# Altium PCB HallFM2_0.PcbDoc (part 2 of 2) (continued)
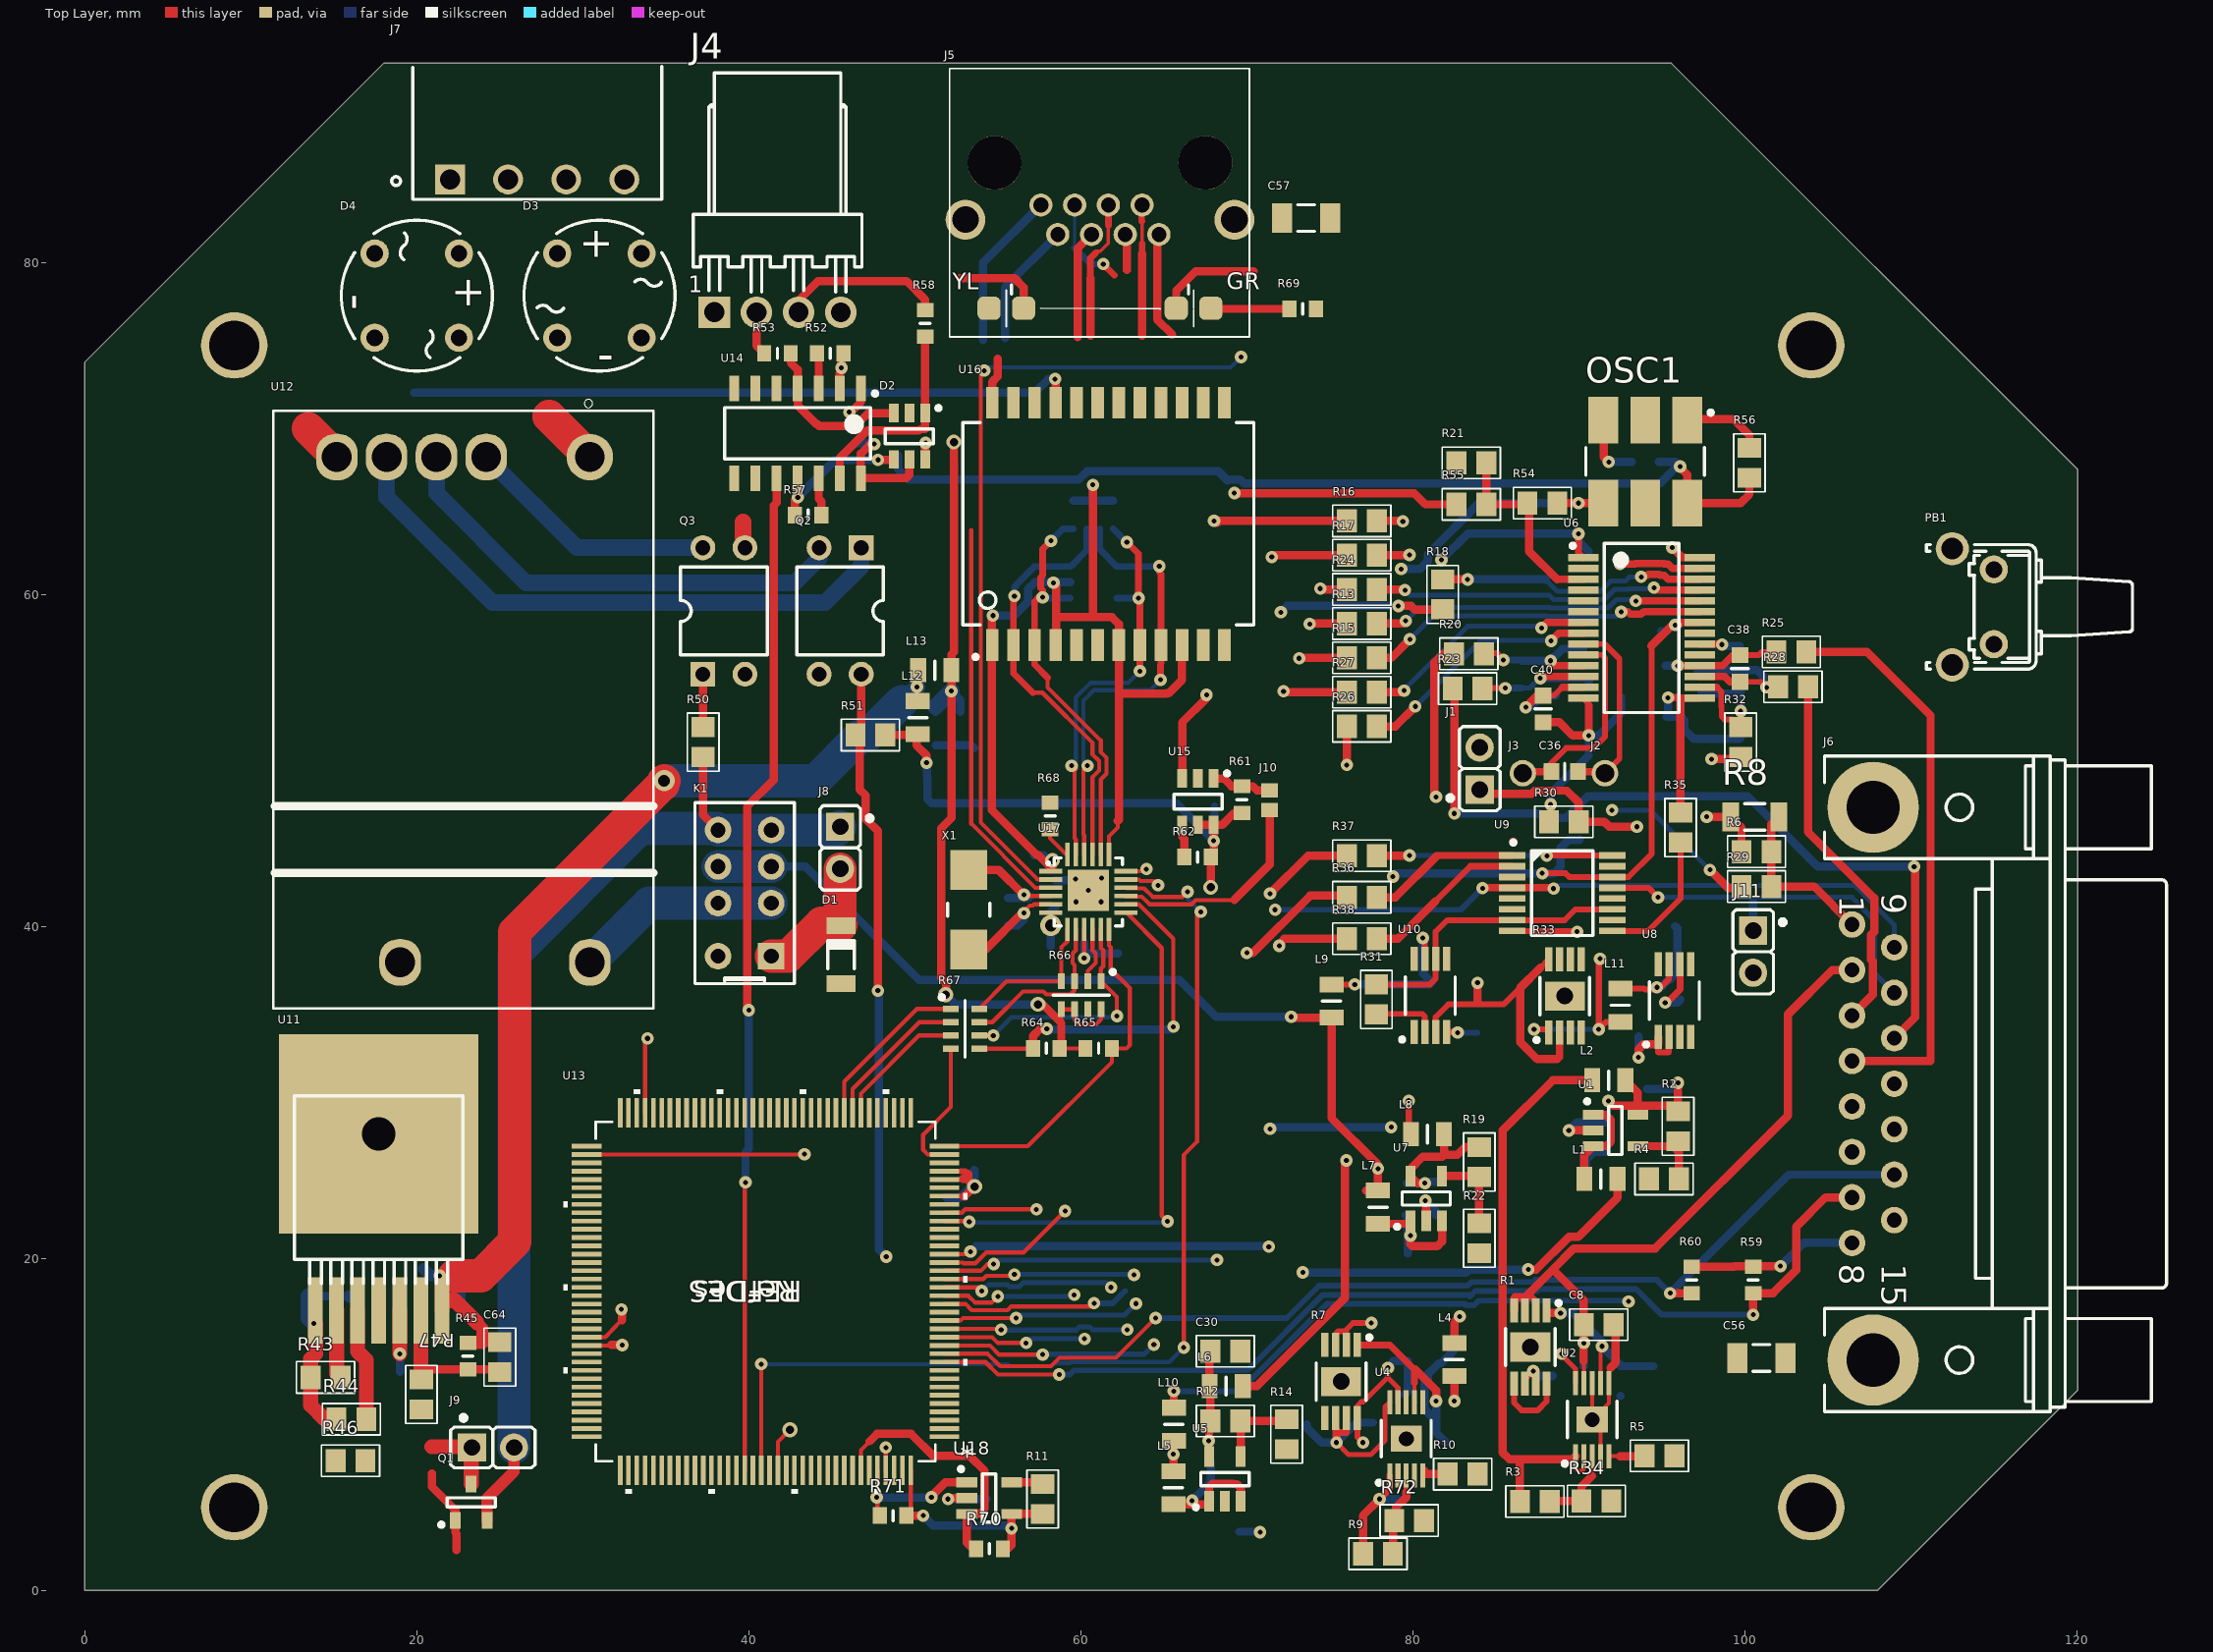
[diagram p0: Top Layer view]
## Nets (pads, with @x,y where several pads share a name; then routed paths per layer and width w, separated by ;. In a path a pad name is that pad's centre, name@x,y a point inside that pad or via, vN(x,y) a via of type N, cw(c..) or ccw(c..) an arc to the next point about the centre after c; other vN are vias at no path point) (continued)
  Signal Layer 2 w0.25: v1(62.8,15.7) 69.85,22.75 69.85,23.003 74.103,27.256 74.103,33.715 74.275,33.887 74.275,35.213 74.103,35.385 74.103,57.897 v1(73.788,58.213)
  Bottom Layer w0.3: v1(55.2,15.7) 55.225,15.675 59.725,15.675 59.925,15.875 60.525,15.875 60.7,15.7 v1(62.8,15.7)
NetR15_1: R15.1 U6.23 | length 20.7
  Top Layer w0.3: v1(92.55,58.95) v1@92.555,58.955
  Top Layer w0.45: v1@92.555,58.955 92.946,58.955 93.098,58.803 93.76,58.803 93.883,58.925 93.925,58.925 93.95,58.95 95.126,58.95 95.131,58.955 U6.23@97.28,58.955
  Top Layer w0.5: R15.1@77.825,56.175 78.7,56.175 v1(79.825,57.3)
  Bottom Layer w0.3: v1(79.825,57.3) 81.225,58.7 88.05,58.7 88.07,58.68 92.28,58.68 v1(92.55,58.95)
NetR15_2: R15.2 U13.15 | length 58.4
  Top Layer w0.25: U13.15@51.77,16.25 52.758,16.25 52.908,16.4 v1(56.1,16.4)
  Top Layer w0.5: v1(73.15,56.15) 73.175,56.175 R15.2@76.025,56.175
  Signal Layer 2 w0.25: v1(63.325,17.275) 73.653,27.603 73.653,33.902 73.825,34.074 73.825,35.026 73.653,35.198 73.653,55.647 v1(73.15,56.15)
  Bottom Layer w0.3: v1(56.1,16.4) 56.275,16.575 62.625,16.575 v1(63.325,17.275)
NetR16_1: R16.1 U6.28 | length 20.5
  Top Layer w0.4: 96.35,62.23 97.255,62.23 U6.28@97.28,62.205
  Top Layer w0.5: R16.1@77.825,64.424 79.351,64.424 79.4,64.375 v1(79.4,64.4) ; v1(95.625,62.825) 96.22,62.23 96.35,62.23
  Signal Layer 2 w0.5: v1(79.4,64.4) 79.478,64.478 92.322,64.478 93.225,63.575 94.85,63.575 95.6,62.825 v1(95.625,62.825)
NetR16_2: R16.2 U13.69 | length 65.1
  Top Layer w0.25: U13.69@33.75,28.77 33.75,33.1 v1(33.9,33.25)
  Top Layer w0.5: v1(68.025,64.425) 68.1,64.425 68.225,64.3 68.349,64.424 R16.2@76.025,64.424
  Signal Layer 2 w0.5: v1(33.9,33.25) 46.067,33.25 55.052,42.236 55.052,42.99 65.625,53.563 65.625,62.025 v1(68.025,64.425)
NetR17_1: R17.1 U6.27 | length 20.3
  Top Layer w0.45: v1(92.479,61.828) 93.398,61.828 93.423,61.853 94.085,61.853 94.088,61.85 95.126,61.85 95.148,61.828 95.378,61.828 95.651,61.555 U6.27@97.28,61.555
  Top Layer w0.5: R17.1@77.825,62.362 79.787,62.362 v1(79.803,62.378)
  Signal Layer 2 w0.5: v1(79.803,62.378) 80.862,62.378 81.387,62.903 82.07,62.903 83.145,61.828 v1(92.479,61.828)
NetR17_2: R17.2 U13.28 | length 55.7
  Top Layer w0.25: U13.28@51.78,22.74 U13.28@51.77,22.75 52.833,22.75 52.835,22.748 53.036,22.95 v1(57.325,22.95)
  Top Layer w0.5: v1(71.5,62.25) 71.612,62.362 R17.2@76.025,62.362
  Signal Layer 2 w0.35: v1(57.325,22.95) 68.8,34.425 68.8,37.549 68.55,37.799 68.55,40.149 68.675,40.274 68.675,44.759 68.755,44.839 68.755,45.461 68.755,59.505 v1(71.5,62.25)
  Bottom Layer w0.5: v1@71.5,62.2 v1(71.5,62.25)
NetR18_1: R18.1 U6.26 | length 16.8
  Top Layer w0.35: v1@93.73,60.955 93.73,61.029 v1(93.754,61.053) 93.754,61.103 v1@93.801,61.15 ; U6.26@97.28,60.905 97.475,60.905 U6.26@97.525,60.955
  Top Layer w0.45: v1@93.801,61.15 94.144,61.15 94.194,61.2 94.856,61.2 94.906,61.15 95.137,61.15 95.382,60.905 U6.26@97.28,60.905
  Top Layer w0.5: R18.1@81.8,60.9 v1(83.3,60.9)
  Bottom Layer w0.3: 87.986,60.886 87.996,60.886 88.702,60.18 91.296,60.18 91.916,60.8 92.8,60.8 93.053,61.053 v1(93.754,61.053)
  Bottom Layer w0.5: v1(83.3,60.9) 88,60.9 87.986,60.886
NetR18_2: R18.2 U13.22 | length 60.3
  Top Layer w0.25: U13.22@51.77,19.75 52.894,19.75 52.943,19.701 53.651,19.701 54.3,20.35 56.55,20.35 v1(59.05,22.85)
  Top Layer w0.5: v1(79.128,59.303) 79.9,59.303 80.128,59.075 81.775,59.075 R18.2@81.8,59.1
  Signal Layer 2 w0.5: v1(59.05,22.85) 69.425,33.225 69.425,37.808 69.175,38.058 69.175,38.742 69.38,38.947 69.38,56.255 v1(72.05,58.925)
  Bottom Layer w0.5: v1(72.05,58.925) 72.428,59.303 v1(79.128,59.303)
NetR19_1: R19.1 R22.2 U7.4 | length 5.1
  Top Layer w0.5: U7.4@81.755,24.955 83.945,24.955 R19.1@84,24.9 R22.2@84,22.105
NetR21_1: R21.1 R54.2 R55.2 U6.3 | length 11.9
  Top Layer w0.45: 88.695,60.905 U6.3@90.28,60.905
  Top Layer w0.5: R21.1@84.425,67.925 R55.2@84.425,65.425 86.825,65.425 R54.2@86.9,65.5 87,65.4 87,62.6 88.695,60.905
NetR24_1: R24.1 U6.25 | length 20.1
  Top Layer w0.35: v1(94.525,60.4) v1@94.67,60.255
  Top Layer w0.45: v1@94.67,60.255 U6.25@97.28,60.255
  Top Layer w0.5: R24.1@77.825,60.3 79.481,60.3 v1(79.528,60.253)
  Bottom Layer w0.3: v1(79.528,60.253) 79.831,59.95 88.225,59.95 88.22,59.945 88.485,59.68 91.543,59.68 92.163,60.3 93.007,60.3 93.035,60.328 94.453,60.328 v1(94.525,60.4)
NetR24_2: R24.2 U13.21 | length 61.6
  Top Layer w0.25: U13.21@51.77,19.25 53.977,19.25 54.377,19.65 v1(54.75,19.65)
  Top Layer w0.5: v1(74.425,60.35) 74.475,60.3 R24.2@76.025,60.3
  Signal Layer 2 w0.25: v1(68.2,19.9) 70.3,22 70.3,22.816 74.553,27.069 74.553,33.529 74.725,33.701 74.725,35.399 74.553,35.571 74.553,60.222 v1(74.425,60.35)
  Bottom Layer w0.3: v1(54.75,19.65) 55,19.9 v1(68.2,19.9)
NetR26_1: R26.1 U6.8 | length 14.8
  Top Layer w0.45: v1(88.329,57.203) 88.781,57.655 U6.8@90.28,57.655
  Top Layer w0.5: R26.1@77.825,52.05 78.95,52.05 v1(80.15,53.25)
  Bottom Layer w0.3: v1(80.15,53.25) 84.125,57.225 88.307,57.225 v1(88.329,57.203)
NetR26_2: R26.2 U13.12 | length 55.2
  Top Layer w0.25: U13.12@51.77,14.75 54.524,14.75 55.074,14.2 v1(57.7,14.2)
  Top Layer w0.5: v1(76.025,49.725) R26.2@76.025,52.05
  Signal Layer 2 w0.25: v1(64.4,14.8) 70.75,21.15 70.75,22.63 75.1,26.98 75.1,33.439 75.175,33.514 75.175,35.586 75.1,35.661 75.1,48.8 v1(76.025,49.725)
  Bottom Layer w0.3: v1(57.7,14.2) 57.725,14.225 63.825,14.225 v1(64.4,14.8)
NetR27_1: R27.1 U6.7 | length 14.3
  Top Layer w0.45: v1(87.75,57.975) 88.08,58.305 U6.7@90.28,58.305
  Top Layer w0.5: R27.1@77.825,54.112 79.387,54.112 v1(79.475,54.2)
  Bottom Layer w0.3: v1(79.475,54.2) 79.475,54.25 83.3,58.075 87.65,58.075 v1(87.75,57.975)
NetR27_2: R27.2 U13.13 | length 57.6
  Top Layer w0.25: U13.13@51.77,15.25 51.895,15.25 54.66,15.25 55.01,14.9 v1(56.7,14.9)
  Top Layer w0.5: v1(72.212,54.163) 72.212,54.112 R27.2@76.025,54.112
  Signal Layer 2 w0.25: v1(60.225,15.15) 60.225,15.165 63.135,18.075 63.338,18.075 73.203,27.94 73.203,34.088 73.375,34.26 73.375,34.84 73.203,35.012 73.203,53.172 v1(72.212,54.163)
  Bottom Layer w0.3: v1(56.7,14.9) 56.95,15.15 v1(60.225,15.15)
NetR31_1: R31.1 U10.2 | length 4
  Top Layer w0.35: R31.1@77.8,34.7 77.8,34.73 80.57,34.73 80.73,34.57 U10.2@80.73,33.63
NetR32_1: R32.1 U9.8 | length 20.3
  Top Layer w0.35: U9.8@85.975,39.725 89.85,39.725 v1(89.9,39.675)
  Top Layer w0.5: v1(98,50.075) 99.625,50.075 R32.1@99.75,50.2
  Signal Layer 2 w0.25: v1(89.9,39.675) 89.9,43.39 96.585,50.075 v1(98,50.075)
NetR35_1: R35.1 U9.9 | length 8.3
  Top Layer w0.35: U9.9@92.025,39.725 94.175,39.725 96.13,41.68 R35.1@96.13,45.055
NetR36_1: R36.1 U13.18 | length 41
  Top Layer w0.25: U13.18@51.77,17.75 53.213,17.75 53.637,17.326 54.626,17.326 v1(55,17.7)
  Top Layer w0.5: v1(70,38.4) 70.359,38.4 73.814,41.855 75.92,41.855 R36.1@76.025,41.75
  Signal Layer 2 w0.25: v1(59.6,17.8) 67.9,26.1 68.49,26.1 70,27.61 v1(70,38.4)
  Bottom Layer w0.3: v1(55,17.7) 59.5,17.7 v1(59.6,17.8)
NetR36_2: R36.2 U9.1 | length 9.2
  Top Layer w0.35: 81.425,44.225 81.475,44.275
  Top Layer w0.4: 81.475,44.275 U9.1@85.975,44.275
  Top Layer w0.5: R36.2@77.825,41.75 78.95,41.75 81.425,44.225
NetR37_1: R37.1 U13.19 | length 44.4
  Top Layer w0.25: U13.19@51.77,18.25 53.803,18.25 v1(54.027,18.026)
  Top Layer w0.5: v1(71.4,41.975) 73.675,44.25 R37.1@76.025,44.25
  Signal Layer 2 w0.25: v1(61.825,18.25) 61.825,18.615 64.735,21.525 65.515,21.525 70.7,26.71 70.7,39.193 70.6,39.293 70.6,41.175 v1(71.4,41.975)
  Bottom Layer w0.3: v1(54.027,18.026) 54.426,18.425 55.575,18.425 55.7,18.3 56.3,18.3 56.525,18.525 61.55,18.525 v1(61.825,18.25)
NetR37_2: R37.2 U9.16 | length 14.3
  Top Layer w0.35: v1(88.075,44.25) 88.1,44.275 U9.16@92.025,44.275
  Top Layer w0.5: R37.2@77.825,44.25 79.8,44.25 v1(79.8,44.275) ; v1(88.075,44.25) v1@88.125,44.2
  Bottom Layer w0.3: v1(79.8,44.275) 88.05,44.275 v1(88.075,44.25)
NetR38_1: R38.1 U13.20 | length 39.7
  Top Layer w0.25: U13.20@51.77,18.75 54.114,18.75 54.314,18.95 54.492,18.95 55.925,18.95 v1(56,19.025)
  Top Layer w0.5: v1(71.953,38.827) 71.953,38.953 72.25,39.25 R38.1@76.025,39.25
  Signal Layer 2 w0.25: v1(63.2,19) 63.626,19 72.1,27.474 72.1,34.135 71.953,34.282 v1(71.953,38.827)
  Bottom Layer w0.3: v1(56,19.025) 63.175,19.025 v1(63.2,19)
NetR38_2: R38.2 U9.2 | length 10
  Top Layer w0.35: 81.35,41.5 83.475,43.625
  Top Layer w0.4: 83.475,43.625 U9.2@85.975,43.625
  Top Layer w0.5: R38.2@77.825,39.25 79.1,39.25 81.35,41.5
NetR43_2: R43.2 U11.2 | length 4.1
  Top Layer w0.9: U11.2@15.165,16.87 15.165,13.06 R43.2@15.4,12.825
NetR44_2: R44.2 R46.1 U11.3 | length 6.8
  Top Layer w0.9: U11.3@16.435,16.87 16.435,14.39 16.955,13.87 R44.2@16.955,10.305
NetR52_2: R52.2 U14.3 | length 2.2
  Top Layer w0.5: R52.2@44.1,74.525 44.21,74.415 U14.3@44.21,72.4
NetR55_1: R55.1 U13.97 | length 83.2
  Top Layer w0.25: U13.97@30.23,14.75 32.35,14.75 v1(32.375,14.775)
  Top Layer w0.5: 31.7,14.775 v1(32.375,14.775) ; v1(69.25,66.1) 80.075,66.1 80.75,65.425 R55.1@82.625,65.425
  Signal Layer 2 w0.5: v1(32.375,14.775) 32.325,14.775 41.25,23.7 41.25,27.05 55.752,41.552 55.752,42.7 66.325,53.273 66.325,61.2 69.25,64.125 v1(69.25,66.1)
NetR57_2: R57.2 U14.12 | length 2.3
  Top Layer w0.5: U14.12@44.21,67 44.21,65.765 44.375,65.6 R57.2@44.375,64.775
NetR62_2: R62.2 U15.4 | length 2
  Top Layer w0.5: U15.4@66.105,46.113 66.105,45.395 66.225,45.275 R62.2@66.225,44.175
NetR64_2: R64.2 R67.5 U17.14 | length 22.1
  Top Layer w0.25: R67.5@53.875,32.625 57.1,32.625 R64.2@57.125,32.65 ; U17.14@62.705,41.325 63.505,41.325 65.578,39.252 v1(65.578,33.952)
  Top Layer w0.5: R64.2@57.125,32.65 57.125,33.4 57.55,33.825 v1(57.95,33.825)
  Bottom Layer w0.25: v1(65.578,33.952) 65.578,33.847 v1@65.65,33.775
  Bottom Layer w0.5: v1(57.95,33.825) 57.9,33.775 65.401,33.775 v1(65.578,33.952)
NetR66_1: R66.1 R67.6 U17.11 | length 14.5
  Top Layer w0.25: R67.6@53.875,33.425 v1(54.725,33.425) ; U17.11@61.2,39.82 61.2,38.701 61.35,38.551 61.35,37.599 61.2,37.449 61.2,36.725 R66.1@61.225,36.7 62.175,35.75 v1(62.175,34.6)
  Bottom Layer w0.25: v1(54.725,33.425) 55.825,34.525 62.1,34.525 v1(62.175,34.6)
NetR66_2: R66.2 U17.10 | length 3.4
  Top Layer w0.25: R66.2@60.425,36.7 60.425,37.31 60.9,37.785 60.9,38.365 60.7,38.565 U17.10@60.7,39.82
NetR66_3: R66.3 R67.7 U17.8 | length 10.5
  Top Layer w0.25: R67.7@53.875,34.225 54.665,34.225 56.515,36.075 57.746,36.075 57.921,35.9 59.375,35.9 59.625,36.15 R66.3@59.625,36.7 59.625,37.66 59.5,37.785 59.5,38.365 59.7,38.565 U17.8@59.7,39.82
NetR66_4: R66.4 R67.8 U17.7 | length 8.9
  Top Layer w0.25: R67.8@53.875,35.025 53.875,35.05 55.525,36.7 R66.4@58.825,36.7 58.825,38.732 59.2,39.107 U17.7@59.2,39.82
NetR68_2: R68.2 U17.24 | length 2
  Top Layer w0.25: R68.2@58.15,45.85 58.15,45.3 59.12,44.33 U17.24@59.2,44.33
NetR70_1: R70.1 U13.138 U18.3 | length 15.6
  Top Layer w0.25: U13.138@46.75,7.23 46.75,8.45 47.275,8.975
  Top Layer w0.5: 47.275,8.975 47.725,9.425 49.775,9.425 51.1,8.1 53.3,8.1 54.205,7.195 54.205,5.064 54.2,5.059 54.2,4.9 53.905,4.605 U18.3@53.13,4.605 53.13,2.87 R70.1@53.4,2.6
NetR71_1: R71.1 U13.140 U18.1 | length 8.6
  Top Layer w0.25: U13.140@47.75,7.23 47.75,4.65 R71.1@47.9,4.5
  Top Layer w0.5: v1(51,5.6) 51,5.667 51.838,6.505 U18.1@53.13,6.505
  Bottom Layer w0.5: v1(47.7,5.6) v1(51,5.6)
NetU13_96: U13.96 U14.1 | length 66.1
  Top Layer w0.25: U13.96@30.23,15.25 31.35,15.25 31.725,15.625 31.725,15.65 32.35,16.275
  Top Layer w0.5: v1(32.325,16.925) 32.4,16.85 32.4,16.8 32.35,16.75 32.35,16.275 ; v1(46.052,70.978) 46.152,70.978 46.75,71.577 U14.1@46.75,72.4
  Signal Layer 2 w0.5: v1(32.325,16.925) 32.325,59.602 43.701,70.978 v1(46.052,70.978)
NetU13_124: U13.124 U14.10 | length 60.6
  Top Layer w0.25: U13.124@39.75,7.23 39.75,24.425 39.8,24.475 v1(39.8,24.575)
  Top Layer w0.5: v1(40,34.95) 39.9,35.05 39.9,47.225 41.5,48.825 41.5,65.346 41.67,65.516 U14.10@41.67,67
  Bottom Layer w0.5: v1(39.8,24.575) 39.8,26.4 40,26.6 v1(40,34.95)
NRST: J10.2 R61.2 U15.1 | length 3.7
  Top Layer w0.5: U15.1@68.005,48.913 68.612,48.913 69.087,48.438 R61.2@69.705,48.438 70.362,48.438 70.6,48.2 J10.2@71.375,48.2
PA1_REF_CLK: R67.4 U13.35 | length 8.2
  Top Layer w0.25: U13.35@51.77,26.25 50.781,26.25 50.5,26.531 50.5,27.45 52.175,29.125 R67.4@52.175,32.625
PA2_MDIO: R65.2 U13.36 U17.12 | length 21.7
  Top Layer w0.25: U13.36@51.77,26.75 56.8,26.75 61.875,31.825 R65.2@61.875,32.65 62.75,32.65 62.95,32.85 62.95,36.275 61.8,37.425 61.8,38.738 61.7,38.838 U17.12@61.7,39.82
PA7_CSR_DV: R67.3 U13.43 | length 8
  Top Layer w0.25: U13.43@46.75,28.77 46.75,29.925 50.25,33.425 R67.3@52.175,33.425
PB13_TXD1: U13.74 U17.18 | length 43.7
  Top Layer w0.25: U13.74@30.23,26.25 43.325,26.25 v1(43.35,26.275) ; U17.18@62.705,43.325 63.826,43.325 v1(63.953,43.452)
  Signal Layer 2 w0.25: v1(43.35,26.275) 49.39,26.275 57.64,34.525 57.746,34.525 63.953,40.732 v1(63.953,43.452)
PC1_MDC: U13.27 U17.13 | length 33.2
  Top Layer w0.25: U13.27@51.77,22.25 53.228,22.25 v1(53.277,22.201) ; U17.13@62.705,40.825 62.75,40.825 64.878,38.697 64.878,22.572 v1(65.225,22.225)
  Bottom Layer w0.25: v1(53.277,22.201) 53.328,22.15 65.15,22.15 v1(65.225,22.225)
PC4_RXD0: R67.2 U13.44 | length 9
  Top Layer w0.25: U13.44@46.25,28.77 46.25,30.2 50.275,34.225 R67.2@52.175,34.225
PC5_RXD1: R67.1 U13.45 | length 10.1
  Top Layer w0.25: U13.45@45.75,28.77 45.75,30.65 50.125,35.025 R67.1@52.175,35.025
PG11_TX_EN: U13.126 U17.16 | length 64.8
  Top Layer w0.25: U13.126@40.75,7.23 v1(40.75,13.625) ; U17.16@62.705,42.325 62.74,42.29 63.812,42.29 64.325,41.777 66.128,41.777 v1(66.428,42.077) v1@66.315,42.19 ; v1(66.2,14.625) 66.2,26.225 67,27.025 67,40.65 v1(67.225,40.875)
  Bottom Layer w0.25: v1(40.75,13.625) 55.585,13.625 55.71,13.5 58.21,13.5 58.41,13.7 59.332,13.7 59.382,13.75 60.418,13.75 65.325,13.75 v1(66.2,14.625) ; v1(66.428,42.077) 66.428,41.672 v1(67.225,40.875)
PG13_TXD0: U13.128 U17.17 | length 47.1
  Top Layer w0.25: U13.128@41.75,7.23 41.75,8.95 v2(42.475,9.675) ; U17.17@62.705,42.825 63.505,42.825 63.59,42.74 v1@64.39,42.74
  Signal Layer 2 w0.25: v2(42.475,9.675) 42.475,15.89 61.885,35.3 62.465,35.3 62.629,35.136 64.653,37.16 v1(64.653,42.477)
ProbeEEPROM_SCL: J6.14 R60.2 U13.11 | length 65.1
  Top Layer w0.25: U13.11@51.77,14.25 54.387,14.25 55.137,13.5 58.21,13.5 58.715,14.005 62.105,14.005 v1(64.5,16.4)
  Top Layer w0.5: v1@95.4,17.9 v1(95.5,17.9) R60.2@96.8,17.9 ; J6.14@108.518,25.16 108.699,25.341 J6.14@109,25.04
  Bottom Layer w0.35: v1(64.5,16.4) 72.409,16.4 74.359,18.35 83.309,18.35 83.534,18.575 87.261,18.575 87.386,18.7 94.7,18.7 v1(95.5,17.9)
  Bottom Layer w0.5: v1(95.5,17.9) 102.64,25.04 J6.14@109,25.04
ProbeEEPROM_SDA: J6.7 R59.2 U13.10 | length 63.1
  Top Layer w0.25: U13.10@51.77,13.75 54.251,13.75 55.001,13 v1(58.7,13)
  Top Layer w0.5: v1(100.5,16.6) R59.2@100.5,17.9 101.7,17.9 103.1,19.3 103.1,21.9 104.87,23.67 J6.7@106.46,23.67
  Bottom Layer w0.35: v1(58.7,13) 59.339,13 59.589,13.25 60.211,13.25 70.037,13.25 74.587,17.8 83.363,17.8 83.45,17.713 83.762,18.025 87.488,18.025 87.613,18.15 93.45,18.15 95,16.6 v1(100.5,16.6)
RD_N: D5.1 R63.2 U16.9 U17.22 | length 26.7
  Top Layer w0.25: U17.22@60.2,44.33 60.2,45.478 60.15,45.528 60.15,49.425 v1(60.4,49.675) ; 64.8,55.4 64.8,55.475
  Top Layer w0.4: v1(64.725,61.7) 64.725,61.325 64.83,61.22 U16.9@64.83,56.95 64.83,55.873 ; v1(64.8,54.85) 64.8,55.4 ; 64.8,55.475 64.8,55.743
  Bottom Layer w0.25: v1(60.4,49.675) 60.15,49.925 60.15,53.6 60.775,54.225 64.175,54.225 v1(64.8,54.85)
  Bottom Layer w0.4: R63.2@61.15,63.95 61.15,62.7 D5.1@62.175,61.675 64.7,61.675 v1(64.725,61.7)
RD_P: D5.3 R63.1 U16.8 U17.23 | length 24.7
  Top Layer w0.25: v1@59.625,49.5 59.625,45.311 59.68,45.255 ; U17.23@59.7,44.33 59.7,45.236
  Top Layer w0.4: v1(59.45,49.675) v1@59.625,49.5 ; v1(62.775,63.15) 63.475,62.45 v1(63.475,59.775) 63.56,59.69 U16.8@63.56,56.95 v1(63.56,55.375)
  Bottom Layer w0.25: v1(59.45,49.675) 59.7,49.925 59.7,53.786 60.589,54.675 62.86,54.675 v1(63.56,55.375)
  Bottom Layer w0.4: R63.1@61.95,63.95 62.75,63.15 v1(62.775,63.15) ; D5.3@62.175,59.775 v1(63.475,59.775)
TD_N: D5.4 R63.4 U16.3 U17.20 | length 24.8
  Top Layer w0.25: 58.003,54.977 58.003,54.397 61.2,51.2 ; U17.20@61.2,44.33 61.2,47.871
  Top Layer w0.254: 61.2,47.871 61.2,48.846 61.552,49.198 61.552,50.152 61.2,50.504 61.2,51.2
  Top Layer w0.4: 58.003,54.977 57.21,55.77 U16.3@57.21,56.95 57.21,59.565 57.47,59.825 v1(57.7,59.825) 57.7,60.254 57.575,60.379 57.575,61.021 57.7,61.146 57.7,62.725 v1(58.2,63.225)
  Bottom Layer w0.4: v1(57.7,59.825) 57.75,59.775 D5.4@59.375,59.775 ; v1(58.2,63.225) 58.925,63.95 R63.4@59.55,63.95
TD_P: D5.6 R63.3 U16.2 U17.21 | length 25.4
  Top Layer w0.25: 57.105,54.079 57.684,54.079 60.698,51.066 60.698,50.367 61.1,49.965 61.1,49.385 60.698,48.983 60.698,47.871
  Top Layer w0.254: 60.698,47.871 60.698,45.159 60.7,45.157 U17.21@60.7,44.33
  Top Layer w0.4: v1(56,59.9) 56,59.625 55.94,59.565 U16.2@55.94,56.95 55.94,55.244 57.105,54.079
  Bottom Layer w0.4: v1(56,59.9) 56,60.421 56.1,60.521 56.075,60.546 57.204,61.675 D5.6@59.375,61.675 60.35,62.65 R63.3@60.35,63.95
VCalibr: R31.2 U9.7 U9.11 U10.6 | length 17.8
  Top Layer w0.35: R31.2@77.8,36.5 81.028,36.5 81.38,36.852 U10.6@81.38,38.03 81.38,39.68 82.075,40.375 U9.7@85.975,40.375 89.15,40.375 89.8,41.025 U9.11@92.025,41.025
VDDA_Eth: C71.1 C77.2 C78.2 C79.2 C82.2 C85.2 D5.5 L14.1 R63.5 R63.6 R63.7 R63.8 U16.1 U16.4 U16.7 U16.10 U17.1 U17.19 | length 67.2
  Top Layer w0.25: U17.1@58.195,43.325 58.195,43.53 ; U17.19@61.7,44.33 61.7,45.425 62.225,45.95 62.225,46.35
  Top Layer w0.5: v1@54.65,58.725 U16.1@54.65,56.97 ; U16.1@54.67,56.95 U16.1@54.65,56.97 ; v2@58.025,43.7 57.4,44.325 57.325,44.325 54.65,47 U16.1@54.65,56.97 ; 58.195,43.53 58.3,43.635 v2(58.3,43.975) ; v1(58.35,60.7) 58.525,60.525 58.525,58.625 ; U16.4@58.48,56.95 58.525,56.995 58.525,58.625 ; v1(60.725,66.6) 60.725,58.8 60.9,58.625 ; 62.225,46.35 62.29,46.415 62.29,54.9 ; U16.10@66.1,56.95 66.1,54.85 65.3,54.05 65.167,54.05 65.142,54.025 62.29,54.025 62.29,54.9 ; 58.525,58.625 60.9,58.625 ; 60.9,58.625 61.875,58.625 62.29,58.21 U16.7@62.29,56.95 62.29,54.9
  Bottom Layer w0.5: L14.1@51.25,50.925 53.375,50.925 C71.1@53.575,50.725 ; v1(54.7,58.725) 55.992,58.725 56.825,59.558 56.825,60.325 57.225,60.725 D5.5@59.375,60.725 ; C77.2@57.175,44.275 57.775,44.275 58.05,44 58.275,44 v2(58.3,43.975) ; R63.5@59.55,65.65 R63.6@60.35,65.65 60.7,65.65 ; v1(60.725,66.6) 60.7,66.575 60.7,65.65 ; R63.8@61.95,65.65 R63.7@61.15,65.65 60.7,65.65
VHall1N: J6.11 R23.1 | length 48.5
  Top Layer w0.5: R23.1@82.4,54.325 82.5,54.225 v1(82.5,46.8) ; J6.11@109,33.26 110.25,34.51 110.25,43.55 v1(110.2,43.6)
  Bottom Layer w0.5: v1(82.5,46.8) 87.683,46.8 87.958,46.525 89.225,46.525 90.525,47.825 100.175,47.825 104.4,43.6 v1(110.2,43.6)
VHall1P: J6.12 R20.1 | length 45.6
  Top Layer w0.5: v1(81.4,47.8) 81.3,47.9 81.3,55.9 81.825,56.425 R20.1@82.475,56.425
  Signal Layer 2 w0.5: v1(81.4,47.8) 81.4,46.733 94.833,33.3 107.192,33.3 108.742,31.75 109,31.75 J6.12@109,30.52
VHall2N: J6.3 R28.1 | length 22.1
  Top Layer w0.5: R28.1@103.805,54.43 103.805,45.695 107.8,41.7 107.8,39.682 107.6,39.482 107.6,37.998 107.71,37.888 107.71,35.88 J6.3@106.46,34.63
VHall2P: J6.4 R25.1 | length 34.6
  Top Layer w0.5: R25.1@103.705,56.53 107.37,56.53 111.19,52.71 111.19,31.89 J6.4@106.46,31.89
pads on no net: J4.4 J5.0 J6.5 J6.6 J6.13 J6.16 OSC1.2 OSC1.5 PB1.3 PB1.4 R7.4 R7.5 R33.3 R33.4 R33.5 R33.6 U6.4 U10.1 U10.5 U10.8 U11.4 U13.1 U13.2 U13.3 U13.4 U13.5 U13.7 U13.8 U13.9 U13.24 U13.25 U13.26 U13.29 U13.34 U13.37 U13.40 U13.41 U13.42 U13.46 U13.47 U13.48 U13.49 U13.50 U13.53 U13.54 U13.55 U13.56 U13.57 U13.58 U13.59 U13.60 U13.63 U13.64 U13.65 U13.66 U13.67 U13.68 U13.70 U13.73 U13.75 U13.76 U13.77 U13.78 U13.79 U13.80 U13.81 U13.82 U13.85 U13.86 U13.87 U13.88 U13.89 U13.90 U13.91 U13.92 U13.93 U13.98 U13.99 U13.100 U13.101 U13.102 U13.103 U13.104 U13.105 U13.109 U13.110 U13.111 U13.112 U13.113 U13.114 U13.115 U13.116 U13.117 U13.118 U13.119 U13.122 U13.123 U13.125 U13.127 U13.129 U13.132 U13.133 U13.134 U13.135 U13.136 U13.137 U13.139 U13.142 U13.143 U14.6 U14.8 U16.5 U16.6 U16.11 U16.12 U16.18

## Silkscreen, mask and mechanical layers (free items; w line width, h text height)
Mechanical 3:
  circle w0.02: c69.963,47.806 r1.6
  circle w0.02: c5.613,78.806 r1.6
  circle w0.02: c-9.287,-7.094 r2.067
  circle w0.02: c-1.287,41.906 r1.75
  circle w0.02: c-1.287,41.906 r5
  circle w0.02: c-1.287,41.906 r6
  circle w0.02: c5.613,34.306 r1.6
  circle w0.02: c115.713,-7.094 r2.067
  circle w0.02: c107.713,41.906 r1.75
  circle w0.02: c100.813,34.306 r1.6
  circle w0.02: c107.713,41.906 r5
  circle w0.02: c107.713,41.906 r6
  circle w0.02: c-9.287,90.906 r2.067
  circle w0.02: c115.713,90.906 r2.067
  circle w0.02: c108.2,20.649 r1.6
  lines w0.02: -11.702,-7.741 cw(c-9.287,-7.094) -9.934,-9.509 ; -11.702,90.259 cw(c-9.287,90.906) -9.934,88.491 ; -10.233,-8.932 cw(c-7.287,-9.094) -7.449,-6.148 ; -10.233,92.744 ccw(c-7.287,92.906) -7.449,89.961 ; 113.298,-7.741 cw(c115.713,-7.094) 115.066,-9.509 ; 113.298,90.259 cw(c115.713,90.906) 115.066,88.491 ; 113.875,-6.148 cw(c113.713,-9.094) 116.659,-8.932 ; 113.875,89.961 ccw(c113.713,92.906) 116.659,92.744 ; 115.756,61.387 117.756,61.387 ; -13.787,2.133 ccw(c-8.787,2.133) -10.911,-2.394 0.091,-7.556 ; -13.787,2.133 -13.787,81.68 ; -13.787,2.133 -13.787,-7.072 ccw(c-8.465,-7.072) -4.787,-10.918 -1.787,-8.048 cw(c-0.405,-9.494) 0.091,-7.556 ; -13.787,81.68 cw(c-8.787,81.68) -10.911,86.206 0.091,91.369 ; -13.787,81.68 -13.787,90.885 cw(c-8.465,90.885) -4.787,94.73 -1.787,91.861 ccw(c-0.405,93.306) 0.091,91.369 ; -10.787,4.406 ccw(c-5.209,4.406) -7.338,-0.749 ; -10.787,4.406 -10.787,79.406 ; -10.787,4.406 -8.787,4.406 ; -10.787,79.406 cw(c-5.209,79.406) -7.338,84.562 ; -10.787,79.406 -8.787,79.406 ; -8.787,4.406 ccw(c-5.209,4.406) -6.575,1.099 ; -8.787,4.406 -8.787,79.406 ; -8.787,79.406 cw(c-5.209,79.406) -6.575,82.713 ; -7.338,-0.749 cw(c-40.121,-80.117) 7.143,-8.423 ; -7.338,-0.749 -6.575,1.099 ; -7.338,84.562 ccw(c-40.121,163.93) 7.143,92.235 ; -7.338,84.562 -6.575,82.713 ; -6.575,1.099 cw(c-40.121,-80.117) 8.244,-6.753 ; -6.575,82.713 ccw(c-40.121,163.93) 8.244,90.566 ; 0.091,-7.556 cw(c-0.405,-9.494) 0.769,-7.875 5.213,-11.096 ccw(c9.213,-5.579) 9.213,-12.394 41.213,-12.394 ; 0.091,91.369 ccw(c-0.405,93.306) 0.769,91.687 5.213,94.909 cw(c9.213,89.392) 9.213,96.206 97.213,96.206 cw(c97.213,89.392) 101.213,94.909 105.657,91.687 ccw(c106.831,93.306) 106.336,91.369 ; 7.143,-8.423 ccw(c10.213,-3.765) 10.213,-9.344 ; 7.143,-8.423 8.244,-6.753 ; 7.143,92.235 cw(c10.213,87.578) 10.213,93.156 ; 7.143,92.235 8.244,90.566 ; 8.244,-6.753 ccw(c10.213,-3.765) 10.213,-7.344 ; 8.244,90.566 cw(c10.213,87.578) 10.213,91.156 ; 10.213,-9.344 96.213,-9.344 ; 10.213,-9.344 10.213,-7.344 ; 10.213,-7.344 96.213,-7.344 ; 10.213,91.156 96.213,91.156 cw(c96.213,87.578) 98.182,90.566 ; 10.213,91.156 10.213,93.156 ; 10.213,93.156 96.213,93.156 cw(c96.213,87.578) 99.283,92.235 ; 41.213,-12.394 41.213,-14.994 -13.387,-14.994 cw(c-13.387,-11.994) -16.387,-11.994 -16.387,95.806 cw(c-13.387,95.806) -13.387,98.806 119.813,98.806 cw(c119.813,95.806) 122.813,95.806 122.813,-11.994 cw(c119.813,-11.994) 119.813,-14.994 65.213,-14.994 65.213,-12.394 ; 41.213,-12.394 41.213,-11.844 65.213,-11.844 65.213,-12.394 ; 65.213,-12.394 97.213,-12.394 ccw(c97.213,-5.579) 101.213,-11.096 105.657,-7.875 cw(c106.831,-9.494) 106.336,-7.556 ; 96.213,-9.344 ccw(c96.213,-3.765) 99.283,-8.423 ; 96.213,-9.344 96.213,-7.344 ; 96.213,-7.344 ccw(c96.213,-3.765) 98.182,-6.753 ; 98.182,-6.753 cw(c146.547,-80.117) 113.001,1.099 ; 98.182,-6.753 99.283,-8.423 ; 98.182,90.566 ccw(c146.547,163.93) 113.001,82.713 ; 98.182,90.566 99.283,92.235 ; 99.283,-8.423 cw(c146.547,-80.117) 113.764,-0.749 ; 99.283,92.235 ccw(c146.547,163.93) 113.764,84.562 ; 106.336,-7.556 cw(c106.831,-9.494) 108.213,-8.048 111.213,-10.918 ccw(c114.891,-7.072) 120.213,-7.072 120.213,2.133 ; 106.336,-7.556 117.337,-2.394 ccw(c115.213,2.133) 120.213,2.133 ; 106.336,91.369 ccw(c106.831,93.306) 108.213,91.861 111.213,94.73 cw(c114.891,90.885) 120.213,90.885 120.213,81.68 ; 106.336,91.369 117.337,86.206 cw(c115.213,81.68) 120.213,81.68 ; 113.001,1.099 ccw(c111.635,4.406) 115.213,4.406 ; 113.001,1.099 113.764,-0.749 ; 113.001,82.713 cw(c111.635,79.406) 115.213,79.406 ; 113.001,82.713 113.764,84.562 ; 113.764,-0.749 ccw(c111.635,4.406) 117.213,4.406 ; 113.764,84.562 cw(c111.635,79.406) 117.213,79.406 ; 115.213,4.406 115.213,79.406 ; 115.213,4.406 117.213,4.406 ; 115.213,79.406 117.213,79.406 ; 117.213,4.406 117.213,79.406 ; 120.213,2.133 120.213,81.68
  lines w0.5: 10,9 10,0 20,0
Mechanical 4:
  lines w0.05: -4,20.425 -4,36.425 ; -4,24 15.875,24
Mechanical 17:
  circle w0.02: c99.6,80.149 r1.6
Mechanical 18:
  circle w1.016: c9,75 r5
  circle w1.016: c104,75 r5
  circle w1.016: c9,5 r5
  circle w1.016: c104,5 r5
  lines w0.2: 0,74 0,0 108,0 118.825,10.825 120.05,12.05 120.05,67.525 95.575,92 18,92 0,74 ; 0,74 0,74 ; 0,74 0,74 ; 0,74 0,74

## Text inside footprints (layer, text, board x,y; h text height)
D3: Top Overlay "+" at 29.8,80.32 h1.8; Top Overlay "-" at 30.895,73.48 h2; Mechanical 14 "+" at 29.8,80.32 h1.8; Mechanical 14 "-" at 30.895,73.48 h2
D4: Top Overlay "+" at 22.32,79.2 h1.8 r270; Top Overlay "-" at 15.48,78.105 h2 r270; Mechanical 14 "+" at 22.32,79.2 h1.8 r270; Mechanical 14 "-" at 15.48,78.105 h2 r270
J4: Top Overlay "1" at 36.348,78.193 h1; Mechanical 14 "1" at 36.348,78.193 h1
J5: Top Overlay "GR" at 68.77,78.38 h1; Top Overlay "YL" at 52.26,78.38 h1
J6: Top Overlay "15" at 108.238,19.679 h1.5 r270; Top Overlay "8" at 105.698,19.679 h1.5 r270; Top Overlay "1" at 105.698,41.869 h1.5 r270; Top Overlay "9" at 108.238,41.996 h1.5 r270
U13: Top Overlay "*" at 53.611,9.254 h1.27 r180; Top Overlay "RefDes" at 42.905,18.635 h1.27 r180; Top Overlay "REFDES" at 43.223,18.635 h1.27 r180; Mechanical 13 "*" at 51.033,9.635 h1.27 r180; Mechanical 13 "RefDes2" at 43.223,18.635 h1.27 r180